# Altium PCB Room_Hub 20221215.PcbDoc (part 2 of 3)
Units mm, origin at the board's own origin, x right, y up, seen from the top; angles counter-clockwise.
Board outline 160.13 x 78.13 mm, 2 copper layers (Top Layer, Bottom Layer), stack 0.325 mm thick; 229 components, 191 nets, 714 pads, 601 vias.
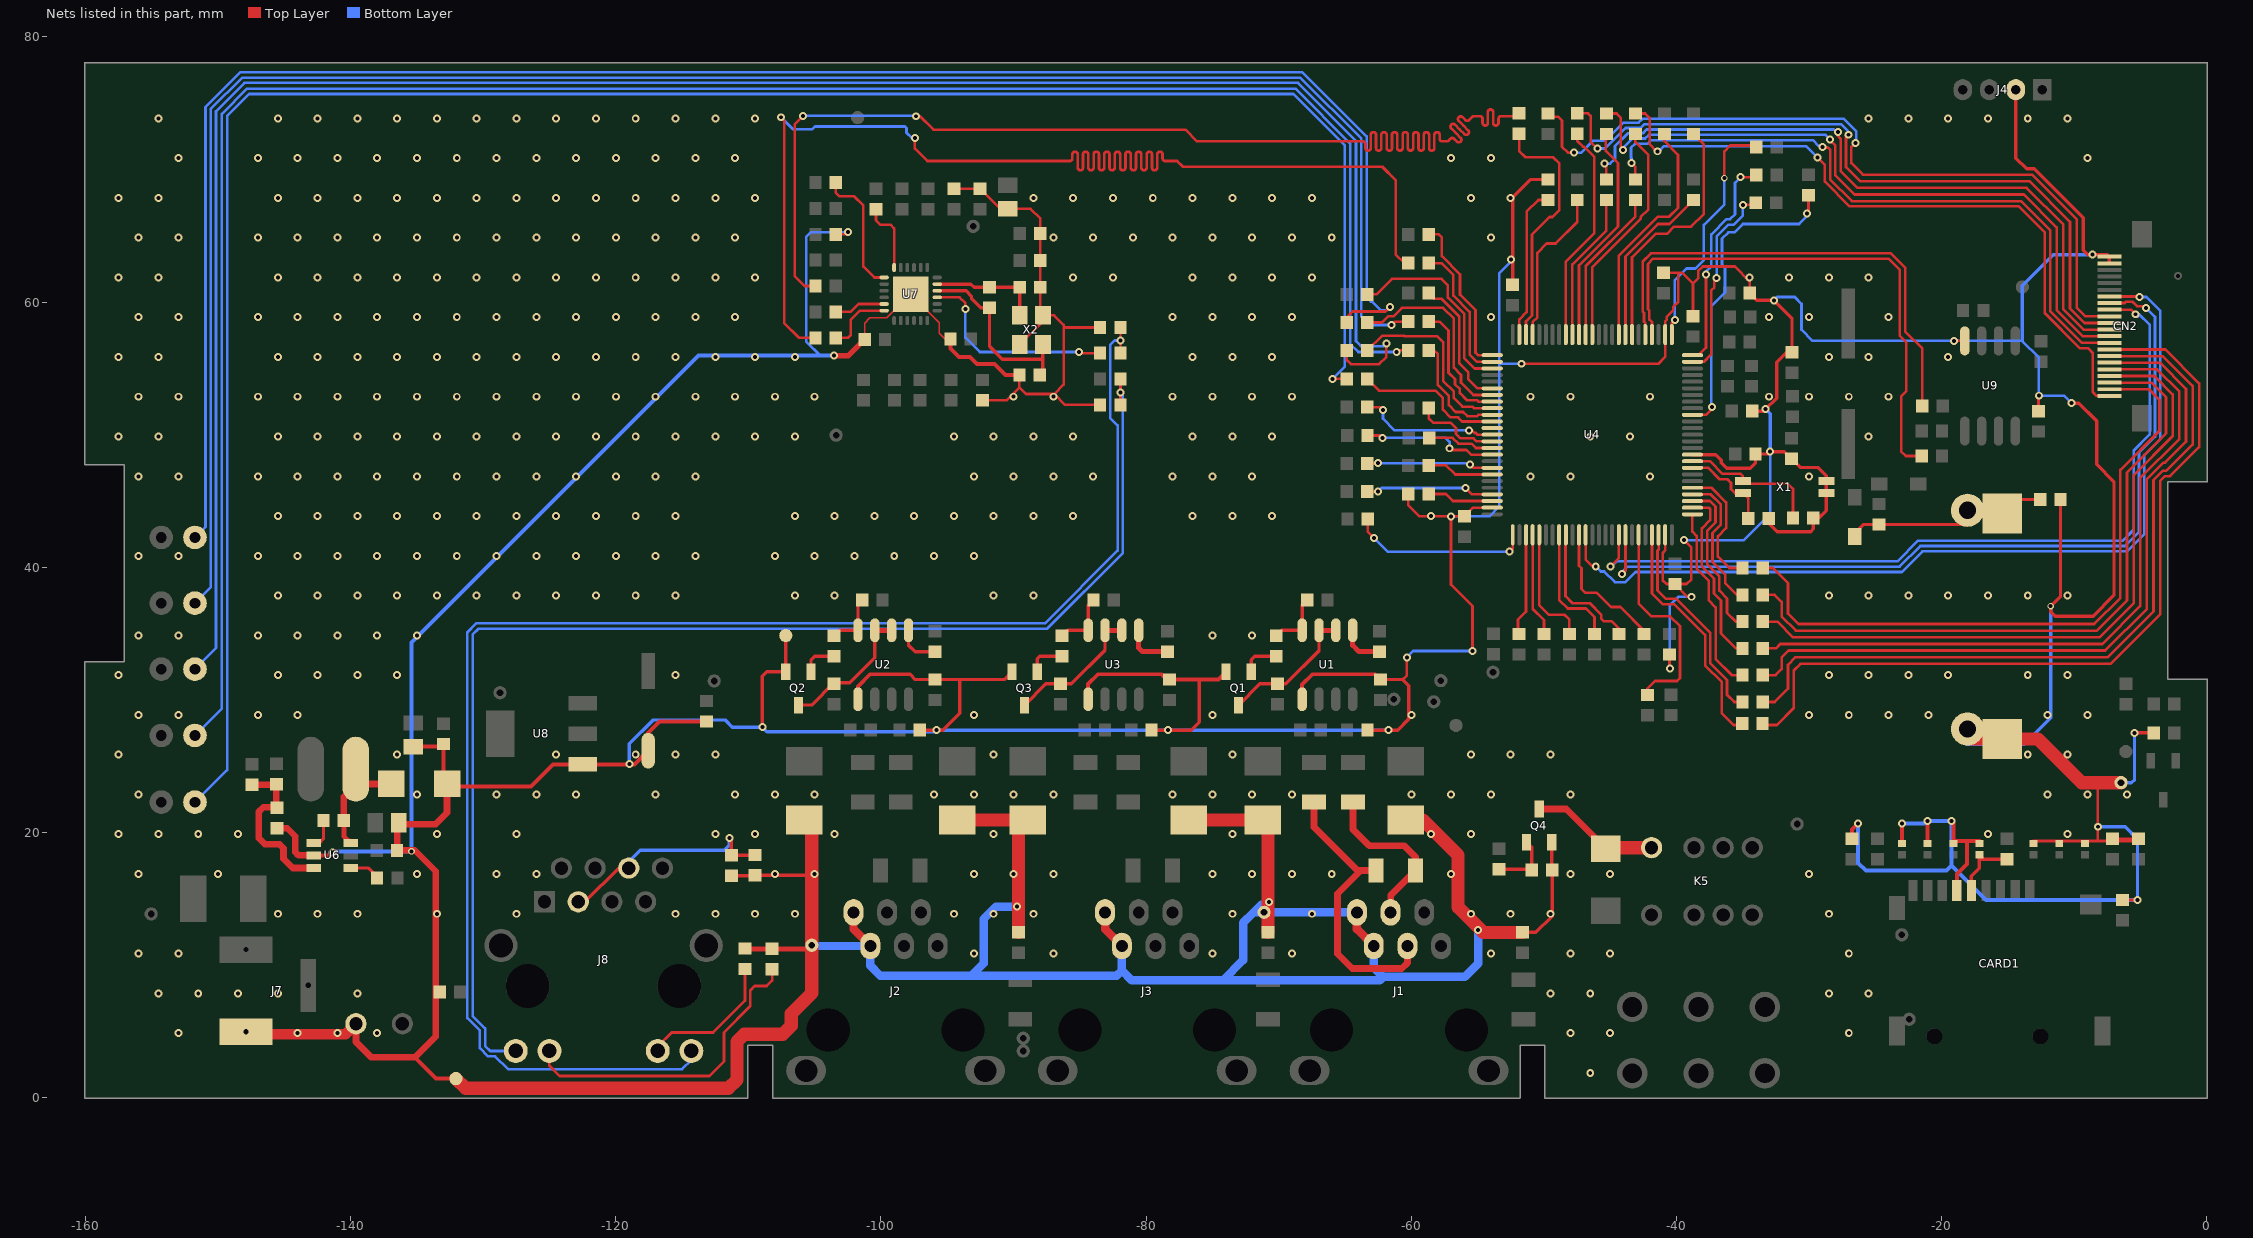
[diagram p2: the nets of this part, all layers, seen from the top]

## Via types
v1: diameter 0.6, hole 0.3, Top Layer to Bottom Layer, 598 vias
v2: diameter 0.5, hole 0.3, Top Layer to Bottom Layer, 3 vias

## Nets (pads, with @x,y where several pads share a name; then routed paths per layer and width w, separated by ;. In a path a pad name is that pad's centre, name@x,y a point inside that pad or via, vN(x,y) a via of type N, cw(c..) or ccw(c..) an arc to the next point about the centre after c; other vN are vias at no path point) (continued)
ETH_TXD1: R36.2 R91.1 | length 95.1
  Top Layer w0.127: R91.1@-105.313,57.307 R91.1@-104.933,57.307
  Top Layer w0.2: v1(-107.544,73.939) -107.293,73.688 -107.293,58.423 -106.177,57.307 R91.1@-105.313,57.307 ; v1(-97.434,72.365) -97.434,71.577 -96.495,70.637 -85.75,70.637 ccw(c-85.75,70.837) -85.55,70.837 -85.55,71.137 cw(c-85.35,71.137) -85.35,71.337 cw(c-85.35,71.137) -85.15,71.137 -85.15,70.637 -85.15,70.137 ccw(c-84.95,70.137) -84.95,69.937 ccw(c-84.95,70.137) -84.75,70.137 -84.75,70.637 -84.75,71.137 cw(c-84.55,71.137) -84.55,71.337 cw(c-84.55,71.137) -84.35,71.137 -84.35,70.637 -84.35,70.137 ccw(c-84.15,70.137) -84.15,69.937 ccw(c-84.15,70.137) -83.95,70.137 -83.95,70.637 -83.95,71.137 cw(c-83.75,71.137) -83.75,71.337 cw(c-83.75,71.137) -83.55,71.137 -83.55,70.637 -83.55,70.137 ccw(c-83.35,70.137) -83.35,69.937 ccw(c-83.35,70.137) -83.15,70.137 -83.15,70.637 -83.15,71.137 cw(c-82.95,71.137) -82.95,71.337 cw(c-82.95,71.137) -82.75,71.137 -82.75,70.637 -82.75,70.137 ccw(c-82.55,70.137) -82.55,69.937 ccw(c-82.55,70.137) -82.35,70.137 -82.35,70.637 -82.35,71.137 cw(c-82.15,71.137) -82.15,71.337 cw(c-82.15,71.137) -81.95,71.137 -81.95,70.637 -81.95,70.137 ccw(c-81.75,70.137) -81.75,69.937 ccw(c-81.75,70.137) -81.55,70.137 -81.55,70.637 -81.55,71.137 cw(c-81.35,71.137) -81.35,71.337 cw(c-81.35,71.137) -81.15,71.137 -81.15,70.637 -81.15,70.137 ccw(c-80.95,70.137) -80.95,69.937 ccw(c-80.95,70.137) -80.75,70.137 -80.75,70.637 -80.75,71.137 cw(c-80.55,71.137) -80.55,71.337 cw(c-80.55,71.137) -80.35,71.137 -80.35,70.637 -80.35,70.137 ccw(c-80.15,70.137) -80.15,69.937 ccw(c-80.15,70.137) -79.95,70.137 -79.95,70.637 -79.95,71.137 cw(c-79.75,71.137) -79.75,71.337 cw(c-79.75,71.137) -79.55,71.137 -79.55,70.637 -79.55,70.137 ccw(c-79.35,70.137) -79.35,69.937 ccw(c-79.35,70.137) -79.15,70.137 -79.15,70.637 -79.15,71.137 cw(c-78.95,71.137) -78.95,71.337 cw(c-78.95,71.137) -78.75,71.137 -78.75,70.837 ccw(c-78.55,70.837) -78.55,70.637 -78.41,70.637 -77.648,70.637 -77.216,70.206 -62.179,70.206 -61.163,69.19 -61.163,63.602 -60.497,62.935 R36.2@-60.217,62.935
  Bottom Layer w0.2: v1(-107.544,73.939) -106.645,73.041 -105.165,73.041 -104.965,73.241 -98.196,73.241 -98.069,73.114 -98.069,72.771 -97.663,72.365 v1(-97.434,72.365)
ETH_TXEN: R33.2 R93.1 | length 94.8
  Top Layer w0.2: v1(-105.867,74.041) -106.493,73.416 -106.493,61.941 -105.759,61.207 R93.1@-104.933,61.207 ; v1(-97.358,74.016) -97.047,74.016 -96.031,73 -77.038,73 -76.155,72.116 -63.754,72.116 -63.646,72.116 cw(c-63.646,71.916) -63.446,71.916 -63.446,71.618 ccw(c-63.246,71.618) -63.246,71.418 ccw(c-63.246,71.618) -63.046,71.618 -63.046,72.116 -63.046,72.616 cw(c-62.846,72.616) -62.846,72.816 cw(c-62.846,72.616) -62.646,72.616 -62.646,72.116 -62.646,71.618 ccw(c-62.446,71.618) -62.446,71.418 ccw(c-62.446,71.618) -62.246,71.618 -62.246,72.116 -62.246,72.616 cw(c-62.046,72.616) -62.046,72.816 cw(c-62.046,72.616) -61.846,72.616 -61.846,72.116 -61.846,71.616 ccw(c-61.646,71.616) -61.646,71.416 ccw(c-61.646,71.616) -61.446,71.616 -61.446,72.116 -61.446,72.616 cw(c-61.246,72.616) -61.246,72.816 cw(c-61.246,72.616) -61.046,72.616 -61.046,72.116 -61.046,71.616 ccw(c-60.846,71.616) -60.846,71.416 ccw(c-60.846,71.616) -60.646,71.616 -60.646,72.116 -60.646,72.616 cw(c-60.446,72.616) -60.446,72.816 cw(c-60.446,72.616) -60.246,72.616 -60.246,72.116 -60.246,71.616 ccw(c-60.046,71.616) -60.046,71.416 ccw(c-60.046,71.616) -59.846,71.616 -59.846,72.116 -59.846,72.616 cw(c-59.646,72.616) -59.646,72.816 cw(c-59.646,72.616) -59.446,72.616 -59.446,72.116 -59.446,71.616 ccw(c-59.246,71.616) -59.246,71.416 ccw(c-59.246,71.616) -59.046,71.616 -59.046,72.116 -59.046,72.616 cw(c-58.846,72.616) -58.846,72.816 cw(c-58.846,72.616) -58.646,72.616 -58.646,72.116 -58.646,71.616 ccw(c-58.446,71.616) -58.446,71.416 ccw(c-58.446,71.616) -58.246,71.616 -58.246,72.116 -58.246,72.616 cw(c-58.046,72.616) -58.046,72.816 cw(c-58.046,72.616) -57.846,72.616 -57.846,72.316 ccw(c-57.646,72.316) -57.646,72.116 -57.446,72.116 -57.246,72.116 -57.185,72.177 -57.044,72.319 cw(c-56.902,72.177) -56.761,72.319 -56.549,72.106 ccw(c-56.407,72.248) -56.266,72.106 ccw(c-56.407,72.248) -56.266,72.389 -56.619,72.743 -56.973,73.096 cw(c-56.832,73.238) -56.973,73.379 cw(c-56.832,73.238) -56.69,73.379 -56.337,73.026 -55.983,72.672 ccw(c-55.842,72.814) -55.7,72.672 ccw(c-55.842,72.814) -55.7,72.955 -56.054,73.308 -56.407,73.662 cw(c-56.266,73.803) -56.407,73.945 cw(c-56.266,73.803) -56.124,73.945 -55.912,73.733 ccw(c-55.771,73.874) -55.629,73.733 -55.488,73.874 -55.347,74.016 -55.013,74.016 -54.813,74.016 cw(c-54.813,73.816) -54.613,73.816 -54.613,73.516 ccw(c-54.413,73.516) -54.413,73.316 ccw(c-54.413,73.516) -54.213,73.516 -54.213,74.016 -54.213,74.33 cw(c-54.013,74.33) -54.013,74.53 cw(c-54.013,74.33) -53.813,74.33 -53.813,74.016 -53.813,73.516 ccw(c-53.613,73.516) -53.613,73.316 ccw(c-53.613,73.516) -53.413,73.516 -53.413,73.816 cw(c-53.213,73.816) -53.213,74.016 -52.076,74.016 R33.2@-51.847,74.245
  Bottom Layer w0.2: v1(-105.867,74.041) -97.384,74.041 v1(-97.358,74.016)
GND: "GND 1.1" C1.1 C2.2 C3.2 C4.1 C6.1 C7.2 C8.1 C9.2 C10.2 C11.2 C12.2 C13.2 C14.2 C15.2 C16.1 C17.1 C20.2 C21.2 C22.2 C23.2 C24.2 C25.2 C30.2 C34.2 C36.2 C37.1 C38.1 C39.1 C40.1 C41.1 C42.1 C43.1 C44.1 C45.1 C46.2 C47.2 C49.2 C50.2 C51.1 C57.2 C59.2 C60.2 CARD1.6 CN1.2 CN2.21 CN2.22 D2.1 D3.1 D5.1 D6.1 D8.1 D9.1 D13.1 D21.1 D22.1 D23.1 D24.1 D25.1 D26.1 D27.1 E1.2 FB3.1 FB4.1 GND.1 J1.1 J1.2 J2.1 J2.2 J3.1 J3.2 J4.2 J7.2 L4.2 pad.2@-71.095,13.967 pad.3@-105.207,11.481 pad.8 Q1.2 Q2.2 Q3.2 Q4.2 R6.1 R14.1 R22.1 R57.2 R77.2 R84.1 R100.1 R101.1 R102.2 R103.2 R104.2 R105.2 R107.1 U1.5 U2.5 U3.5 U4.10 U4.27 U4.74 U4.99 U6.2 U7.0 U8.1 U9.4 X1.2 X1.3 X2.2 X2.4 | length 877.4
  Top Layer w0.1: C41.1@-101.227,57.175 -101.227,58.412 -100.838,58.801 -99.553,58.801 U7.0@-98.913,59.441 ; U7.0@-96.557,59.399 -95.606,58.448 -95.606,57.658 -95.174,57.226 C40.1@-94.75,57.226
  Top Layer w0.127: U3.5@-84.359,30.042 U3.5@-84.359,30.582
  Top Layer w0.2: R101.1@-103.393,65.108 -102.634,65.108 v1(-102.464,65.278) ; C39.1@-94.47,68.549 C44.1@-92.504,68.549 -90.984,67.03 C45.1@-90.424,67.03 -88.696,67.03 -87.972,66.306 C38.1@-87.972,65.181 C37.1@-87.972,63.149 C43.1@-87.972,61.117 -87.972,59.196 X2.2@-87.775,58.999 ; R100.1@-92.339,52.584 -90.52,52.584 -89.548,53.555 ; C42.1@-89.548,54.505 -89.548,53.555 ; X2.4@-89.524,56.799 -87.775,58.549 X2.2@-87.775,58.999 ; -86.165,58.082 R102.2@-83.467,58.082 ; R104.2@-83.467,52.252 -86.111,52.252 v1@-86.919,53.061 ; -60.633,31.524 -60.325,31.832 v1(-60.325,33.198) ; C14.2@-60.217,45.519 -60.217,44.672 -59.393,43.848 C23.2@-55.982,43.848 -55.337,44.493 U4.74@-53.886,44.493 ; v1(-56.998,43.84) -56.998,38.684 -55.372,37.059 v1(-55.372,33.68) ; v1@-51.689,55.321 v1(-51.664,55.347) -41.351,55.347 -40.836,55.862 U4.27@-40.836,57.543 -40.836,58.547 -40.707,58.676 -40.707,58.897 -40.234,59.37 -40.234,59.639 -39.853,60.02 -39.853,62.213 ; C25.2@-40.97,62.213 -39.853,62.213 ; U4.99@-40.836,42.443 -40.836,41.268 -41.021,41.083 -41.021,39.006 -40.742,38.727 C22.2@-40.462,38.727 ; R57.2@-40.51,33.421 -40.51,32.382 v1(-40.488,32.36) ; v1(-39.421,42.037) -38.868,41.484 -38.868,39.085 -39.226,38.727 C22.2@-40.107,38.727 -39.149,37.77 v1(-38.862,37.77) ; C21.2@-38.735,58.936 -38.735,61.392 ; C16.1@-34.46,60.681 -34.46,61.562 -35.576,62.678 -37.993,62.678 -38.344,62.326 -38.344,61.782 -38.735,61.392 ; v1@-19.075,57.082 v1(-19.064,57.07) U9.4@-18.237,57.07 ; D23.1@-13.064,19.351 -8.204,19.351 ; C4.1@-12.675,51.773 -12.675,52.908 v1(-12.649,52.934) ; -8.204,23.647 v1(-8.204,20.422) -8.204,19.351 ; C50.2@-7.087,19.515 C49.2@-5.138,19.515 -5.302,19.351 -8.204,19.351 ; -89.548,53.555 -89.054,53.061 v1@-86.919,53.061 ; X2.2@-87.775,58.999 -86.939,58.999 -86.208,58.268 -86.208,53.772 v1@-86.919,53.061 ; -39.853,62.213 -39.556,62.213 -38.735,61.392
  Top Layer w0.254: C47.2@-111.277,16.731 -109.525,16.731 C46.2@-109.499,16.756 v1@-105.24,16.756 ; v1(-108.941,27.94) -108.941,31.775 -108.614,32.102 Q2.2@-107.168,32.102 -107.168,34.845 ; U2.5@-101.724,30.042 U2.5@-101.724,30.582 ; -99.421,31.924 -97.796,31.924 -97.396,31.524 C1.1@-95.908,31.524 -94.082,31.524 ; R14.1@-97.059,27.708 v1(-95.814,27.708) -95.33,27.708 -94.056,28.981 -94.056,31.499 -94.082,31.524 ; Q3.2@-90.109,32.102 -90.687,31.524 -94.082,31.524 ; R22.1@-79.584,27.708 v1(-78.339,27.708) -76.584,27.708 -75.971,28.321 -75.971,31.524 ; R6.1@-63.292,27.708 v1(-61.722,27.708) -61.014,27.708 -60.172,28.55 -60.172,31.063 -60.633,31.524 C6.1@-62.327,31.524 ; C24.2@-52.349,61.298 -52.349,67.894 -51.001,69.243 C15.2@-49.66,69.243 ; C2.2@-51.613,12.454 -50.589,12.454 -49.367,13.676 R84.1@-49.367,17.167 -49.392,17.192 Q4.2@-49.392,19.262 ; U4.10@-38.786,48.493 -37.037,48.493 -36.601,48.057 -36.601,47.879 -36.195,47.473 -34.417,47.473 -34.02,47.87 C20.2@-34.02,48.539 -33.096,48.539 v1(-32.918,48.717) -31.86,48.717 C10.2@-31.318,48.176 -30.666,47.523 -29.312,47.523 -28.676,46.888 X1.3@-28.676,46.493 X1.2@-28.676,45.593 -28.676,44.273 -29.235,43.713 C12.2@-29.659,43.713 -29.659,42.883 -29.87,42.672 -32.385,42.672 -33.037,43.324 C13.2@-33.037,43.663 ; C16.1@-34.46,60.681 -33.926,60.147 -32.664,60.147 -31.267,58.75 C11.2@-31.267,56.218 -31.666,56.218 -32.436,55.448 -32.436,52.756 v1(-33.274,51.918) -33.426,51.765 FB3.1@-34.282,51.765 ; J4.2@-14.388,76.019 -14.388,70.853 -13.577,70.042 -12.99,70.042 -9.296,66.348 -9.296,63.906 -8.966,63.576 v1(-8.611,63.576) -7.484,63.576 CN2.22@-7.331,63.423 CN2.21@-7.331,62.923 ; C17.1@-11.016,45.11 -11.016,37.803 v2(-11.76,37.059) -11.76,36.627 -11.43,36.297 -8.56,36.297 -6.985,37.871 -6.985,46.457 -8.28,47.752 -8.28,51.029 -9.627,52.375 v1(-10.185,52.375) ; L4.2@-6.67,14.898 L4.2@-6.34,14.898 v1(-5.211,14.898) ; v1(-5.434,27.507) R107.1@-3.975,27.507
  Top Layer w0.3: U6.2@-142.776,18.263 -141.554,18.263 v1(-141.351,18.466) ; C36.2@-135.28,26.466 -133.191,26.466 C57.2@-132.994,26.662 -132.994,23.919 D13.1@-132.723,23.647 -132.545,23.47 -126.39,23.47 -124.728,25.132 U8.1@-122.503,25.132 -118.578,25.132 C60.2@-117.551,26.159 -117.551,27.508 -116.696,28.364 C59.2@-113.157,28.364 ; -135.153,3.023 -133.553,1.422 GND.1@-132.055,1.422 ; U2.5@-101.724,30.582 -101.724,31.018 -100.818,31.924 -99.421,31.924 ; C40.1@-94.75,57.226 -94.75,56.498 -94.107,55.855 -93.269,55.855 -92.735,55.321 -91.415,55.321 -90.598,54.505 C42.1@-89.548,54.505 ; U3.5@-84.359,30.582 -84.359,31.182 -83.616,31.924 -78.842,31.924 -78.704,31.786 ; C8.1@-78.212,31.524 -75.971,31.524 -74.548,31.524 Q1.2@-73.97,32.102 ; U1.5@-68.22,30.632 -68.22,31.145 -67.44,31.924 -62.727,31.924 C6.1@-62.327,31.524 ; C51.1@-26.746,19.515 -26.746,20.218 v1(-26.289,20.676) ; D27.1@-22.99,19.351 v1(-22.99,20.672) ; D26.1@-21.041,19.351 v1(-21.041,20.863) ; v1(-19.228,20.853) -19.091,20.717 -19.091,19.351 -18.085,19.351 ; CARD1.6@-18.838,15.605 -18.838,16.875 -18.085,17.628 -18.085,19.351 ; D24.1@-17.141,19.351 -18.085,19.351
  Top Layer w0.381: R103.2@-110.252,11.233 -110.226,11.207 R105.2@-108.194,11.207 -105.48,11.207 pad.3@-105.207,11.481
  Top Layer w0.4: v1(-103.53,55.956) -102.446,55.956 C41.1@-101.227,57.175
  Top Layer w0.5: R77.2@-145.542,20.312 -144.772,20.312 -144.17,19.71 -144.17,18.517 -143.916,18.263 U6.2@-142.776,18.263 ; C3.2@-139.593,5.563 -139.593,4.186 -138.43,3.023 -135.153,3.023 -133.579,4.597 -133.579,17.069 -135.153,18.644 C34.2@-136.492,18.644 -136.492,20.606 -133.597,20.606 -132.723,21.48 D13.1@-132.723,23.647
  Top Layer w0.635: J2.1@-102.063,13.967 -102.063,12.697 J2.2@-100.793,11.427 ; J3.1@-83.089,13.967 -83.089,12.697 J3.2@-81.819,11.427 ; J1.1@-64.09,13.967 -64.09,12.697 J1.2@-62.82,11.427
  Top Layer w0.8: J7.2@-147.894,4.959 -147.711,4.775 -140.381,4.775 C3.2@-139.593,5.563
  Top Layer w1: GND.1@-132.055,1.422 -131.323,0.691 -111.501,0.691 -110.846,1.346 -110.846,4.231 -110.301,4.775 -107.391,4.775 -106.756,5.41 -106.756,6.325 -105.207,7.874 pad.3@-105.207,11.481 -105.207,20.35 D5.1@-105.788,20.932 ; D6.1@-94.231,20.932 D8.1@-89.611,20.932 ; C7.2@-89.611,12.454 D8.1@-89.611,20.252 ; D9.1@-76.764,20.932 D2.1@-71.191,20.932 ; C9.2@-70.79,12.454 D2.1@-70.79,20.53 ; D3.1@-59.134,20.932 -56.464,18.263 -56.464,14.351 -54.567,12.454 C2.2@-51.613,12.454 ; E1.2@-17.712,27.048 CN1.2@-15.418,27.048 -12.723,27.048 -9.423,23.749 pad.8@-6.452,23.749
  Bottom Layer w0.2: -104.572,55.956 -105.639,57.023 -105.639,64.897 -105.258,65.278 v1(-102.464,65.278) ; v1(-60.325,33.198) -59.842,33.68 v1(-55.372,33.68) ; v1(-56.998,43.84) -54.102,43.84 -53.365,44.577 -53.365,55.347 ; v1(-52.451,63.221) -52.451,63.068 -53.365,62.154 -53.365,55.347 ; v1(-51.664,55.347) -53.365,55.347 ; v1(-40.488,32.36) -40.488,37.135 -39.853,37.77 v1(-38.862,37.77) ; v1(-39.421,42.037) -34.9,42.037 -32.918,44.018 v1(-32.918,48.717) ; v1(-32.639,60.122) -32.385,60.376 -31.064,60.376 -30.556,59.868 -30.556,57.912 -29.714,57.07 v1(-19.064,57.07) -13.916,57.07 -12.649,55.804 v1(-12.649,52.934) -10.744,52.934 v1(-10.185,52.375)
  Bottom Layer w0.254: v1(-118.974,25.146) -118.974,26.67 -117.17,28.473 -111.735,28.473 -111.201,27.94 v1(-108.941,27.94) -108.59,27.589 -95.933,27.589 v1(-95.814,27.708) v1(-78.339,27.708) v1(-61.722,27.708) ; v1(-33.274,51.918) -32.918,51.562 v1(-32.918,48.717) ; E1.2@-18.11,26.65 -13.762,26.65 -11.76,28.651 v2(-11.76,37.059) ; -13.916,57.07 -13.916,61.243 -11.582,63.576 v1(-8.611,63.576) ; v1(-8.204,20.422) -6.147,20.422 -5.211,19.486 v1(-5.211,14.898) ; pad.8@-6.452,23.749 -5.664,23.749 -5.434,23.979 v1(-5.434,27.507)
  Bottom Layer w0.3: v1(-141.351,18.466) -141.249,18.567 v2(-135.407,18.567) -135.407,34.315 -113.767,55.956 -104.572,55.956 v1(-103.53,55.956) ; v1(-26.289,20.676) -26.289,17.704 -25.705,17.12 -19.609,17.12 -19.228,17.501 ; v1(-22.99,20.672) -21.232,20.672 v1(-21.041,20.863) -19.237,20.863 v1(-19.228,20.853) -19.228,17.501 ; v1(-5.211,14.898) -16.625,14.898 -19.228,17.501
  Bottom Layer w0.635: pad.3@-105.207,11.481 -105.153,11.427 J2.2@-100.793,11.427 -100.793,9.937 -100.051,9.195 -93.167,9.195 ; v1(-89.738,14.402) -91.313,14.402 -92.253,13.462 -92.253,10.109 -93.167,9.195 ; J3.2@-81.819,11.427 -81.819,9.581 ; v1@-70.815,14.554 -71.298,14.554 -71.885,13.967 ; J1.1@-64.09,13.967 -71.885,13.967 ; J1.2@-62.82,11.427 -62.82,9.81 -62.103,9.093 ; v1(-54.94,12.649) -54.94,10.109 -55.956,9.093 -62.103,9.093 ; -93.167,9.195 -82.205,9.195 -81.819,9.581 ; -81.819,9.581 -81.077,8.839 -74.193,8.839 ; -74.193,8.839 -62.357,8.839 -62.103,9.093 ; -74.193,8.839 -72.669,10.363 -72.669,13.183 -71.885,13.967
  other v1: -46.49,1.858 -152.99,4.858 -143.99,4.858 -140.99,4.858 -137.99,4.858 -47.99,4.858 -44.99,4.858 -26.99,4.858 -154.49,7.858 -151.49,7.858 -148.49,7.858 -145.49,7.858 -139.49,7.858 -49.49,7.858 -46.49,7.858 -28.49,7.858 -25.49,7.858 -155.99,10.858 -152.99,10.858 -92.99,10.858 -86.99,10.858 -74.99,10.858 -68.99,10.858 -53.99,10.858 -47.99,10.858 -44.99,10.858 -26.99,10.858 -145.49,13.858 -142.49,13.858 -139.49,13.858 -133.49,13.858 -127.49,13.858 -115.49,13.858 -112.49,13.858 -109.49,13.858 -106.49,13.858 -94.49,13.858 -91.49,13.858 -88.49,13.858 -73.49,13.858 -67.49,13.858 -55.49,13.858 -52.49,13.858 -49.49,13.858 -28.49,13.858 -70.714,14.732 -155.99,16.858 -149.99,16.858 -134.99,16.858 -128.99,16.858 -125.99,16.858 -107.99,16.858 -104.99,16.858 -92.99,16.858 -89.99,16.858 -86.99,16.858 -74.99,16.858 -71.99,16.858 -68.99,16.858 -65.99,16.858 -56.99,16.858 -47.99,16.858 -44.99,16.858 -29.99,16.858 -157.49,19.858 -154.49,19.858 -151.49,19.858 -148.49,19.858 -133.49,19.858 -127.49,19.858 -112.49,19.858 -109.49,19.858 -103.49,19.858 -91.49,19.858 -73.49,19.858 -58.49,19.858 -55.49,19.858 -16.49,19.858 -10.49,19.858 -155.99,22.858 -134.99,22.858 -128.99,22.858 -125.99,22.858 -122.99,22.858 -116.99,22.858 -110.99,22.858 -107.99,22.858 -104.99,22.858 -95.99,22.858 -92.99,22.858 -89.99,22.858 -86.99,22.858 -77.99,22.858 -74.99,22.858 -71.99,22.858 -68.99,22.858 -59.99,22.858 -56.99,22.858 -53.99,22.858 -47.99,22.858 -11.99,22.858 -8.99,22.858 -5.99,22.858 -157.49,25.858 -136.49,25.858 -124.49,25.858 -118.49,25.858 -115.49,25.858 -112.49,25.858 -91.49,25.858 -73.49,25.858 -55.49,25.858 -52.49,25.858 -49.49,25.858 -13.49,25.858 -10.49,25.858 -155.99,28.858 -152.99,28.858 -146.99,28.858 -143.99,28.858 -92.99,28.858 -74.99,28.858 -59.99,28.858 -29.99,28.858 -26.99,28.858 -23.99,28.858 -20.99,28.858 -11.99,28.858 -8.99,28.858 -157.49,31.858 -145.49,31.858 -142.49,31.858 -139.49,31.858 -136.49,31.858 -115.49,31.858 -28.49,31.858 -25.49,31.858 -22.49,31.858 -19.49,31.858 -13.49,31.858 -10.49,31.858 -155.99,34.858 -152.99,34.858 -146.99,34.858 -143.99,34.858 -140.99,34.858 -137.99,34.858 -134.99,34.858 -74.99,34.858 -71.99,34.858 -145.49,37.858 -142.49,37.858 -139.49,37.858 -136.49,37.858 -133.49,37.858 -130.49,37.858 -127.49,37.858 -124.49,37.858 -121.49,37.858 -118.49,37.858 -115.49,37.858 -106.49,37.858 -103.49,37.858 -91.49,37.858 -88.49,37.858 -28.49,37.858 -25.49,37.858 -22.49,37.858 -19.49,37.858 -16.49,37.858 -13.49,37.858 -10.49,37.858 -155.99,40.858 -152.99,40.858 -146.99,40.858 -143.99,40.858 -140.99,40.858 -137.99,40.858 -134.99,40.858 -131.99,40.858 -128.99,40.858 -125.99,40.858 -122.99,40.858 -119.99,40.858 -116.99,40.858 -113.99,40.858 -107.99,40.858 -104.99,40.858 -101.99,40.858 -98.99,40.858 -95.99,40.858 -92.99,40.858 -145.49,43.858 -142.49,43.858 -139.49,43.858 -136.49,43.858 -133.49,43.858 -130.49,43.858 -127.49,43.858 -124.49,43.858 -121.49,43.858 -118.49,43.858 -115.49,43.858 -106.49,43.858 -103.49,43.858 -100.49,43.858 -97.49,43.858 -94.49,43.858 -91.49,43.858 -88.49,43.858 -85.49,43.858 -76.49,43.858 -73.49,43.858 -70.49,43.858 -58.49,43.858 -155.99,46.858 -152.99,46.858 -146.99,46.858 -143.99,46.858 -140.99,46.858 -137.99,46.858 -134.99,46.858 -131.99,46.858 -128.99,46.858 -125.99,46.858 -122.99,46.858 -119.99,46.858 -116.99,46.858 -113.99,46.858 -92.99,46.858 -89.99,46.858 -86.99,46.858 -83.99,46.858 -77.99,46.858 -74.99,46.858 -71.99,46.858 -50.99,46.858 -47.99,46.858 -41.99,46.858 -29.99,46.858 -157.49,49.858 -154.49,49.858 -145.49,49.858 -142.49,49.858 -139.49,49.858 -136.49,49.858 -133.49,49.858 -130.49,49.858 -127.49,49.858 -124.49,49.858 -121.49,49.858 -118.49,49.858 -115.49,49.858 -112.49,49.858 -109.49,49.858 -106.49,49.858 -94.49,49.858 -91.49,49.858 -88.49,49.858 -85.49,49.858 -76.49,49.858 -73.49,49.858 -70.49,49.858 -46.49,49.858 -43.49,49.858 -25.49,49.858 -155.99,52.858 -152.99,52.858 -146.99,52.858 -143.99,52.858 -140.99,52.858 -137.99,52.858 -134.99,52.858 -131.99,52.858 -128.99,52.858 -125.99,52.858 -122.99,52.858 -119.99,52.858 -116.99,52.858 -113.99,52.858 -110.99,52.858 -107.99,52.858 -104.99,52.858 -89.99,52.858 -86.99,52.858 -77.99,52.858 -74.99,52.858 -71.99,52.858 -68.99,52.858 -50.99,52.858 -47.99,52.858 -41.99,52.858 -32.99,52.858 -29.99,52.858 -26.99,52.858 -23.99,52.858 -157.49,55.858 -154.49,55.858 -145.49,55.858 -142.49,55.858 -139.49,55.858 -136.49,55.858 -133.49,55.858 -130.49,55.858 -127.49,55.858 -124.49,55.858 -121.49,55.858 -118.49,55.858 -115.49,55.858 -112.49,55.858 -109.49,55.858 -106.49,55.858 -76.49,55.858 -73.49,55.858 -70.49,55.858 -28.49,55.858 -25.49,55.858 -19.49,55.858 -155.99,58.858 -152.99,58.858 -146.99,58.858 -143.99,58.858 -140.99,58.858 -137.99,58.858 -134.99,58.858 -131.99,58.858 -128.99,58.858 -125.99,58.858 -122.99,58.858 -119.99,58.858 -116.99,58.858 -113.99,58.858 -110.99,58.858 -77.99,58.858 -74.99,58.858 -71.99,58.858 -68.99,58.858 -53.99,58.858 -32.99,58.858 -29.99,58.858 -23.99,58.858 -157.49,61.858 -154.49,61.858 -145.49,61.858 -142.49,61.858 -139.49,61.858 -136.49,61.858 -133.49,61.858 -130.49,61.858 -127.49,61.858 -124.49,61.858 -121.49,61.858 -118.49,61.858 -115.49,61.858 -112.49,61.858 -109.49,61.858 -85.49,61.858 -82.49,61.858 -76.49,61.858 -73.49,61.858 -70.49,61.858 -67.49,61.858 -34.49,61.858 -31.49,61.858 -28.49,61.858 -25.49,61.858 -155.99,64.858 -152.99,64.858 -146.99,64.858 -143.99,64.858 -140.99,64.858 -137.99,64.858 -134.99,64.858 -131.99,64.858 -128.99,64.858 -125.99,64.858 -122.99,64.858 -119.99,64.858 -116.99,64.858 -113.99,64.858 -110.99,64.858 -86.99,64.858 -83.99,64.858 -80.99,64.858 -77.99,64.858 -74.99,64.858 -71.99,64.858 -68.99,64.858 -65.99,64.858 -53.99,64.858 -157.49,67.858 -154.49,67.858 -145.49,67.858 -142.49,67.858 -139.49,67.858 -136.49,67.858 -133.49,67.858 -130.49,67.858 -127.49,67.858 -124.49,67.858 -121.49,67.858 -118.49,67.858 -115.49,67.858 -112.49,67.858 -109.49,67.858 -88.49,67.858 -85.49,67.858 -82.49,67.858 -79.49,67.858 -76.49,67.858 -73.49,67.858 -70.49,67.858 -67.49,67.858 -55.49,67.858 -52.49,67.858 -152.99,70.858 -146.99,70.858 -143.99,70.858 -140.99,70.858 -137.99,70.858 -134.99,70.858 -131.99,70.858 -128.99,70.858 -125.99,70.858 -122.99,70.858 -119.99,70.858 -116.99,70.858 -113.99,70.858 -110.99,70.858 -56.99,70.858 -53.99,70.858 -8.99,70.858 -154.49,73.858 -145.49,73.858 -142.49,73.858 -139.49,73.858 -136.49,73.858 -133.49,73.858 -130.49,73.858 -127.49,73.858 -124.49,73.858 -121.49,73.858 -118.49,73.858 -115.49,73.858 -112.49,73.858 -109.49,73.858 -25.49,73.858 -22.49,73.858 -19.49,73.858 -16.49,73.858 -13.49,73.858 -10.49,73.858